# KiCad board uC_TP_Boussole_mb.kicad_pcb (continued)
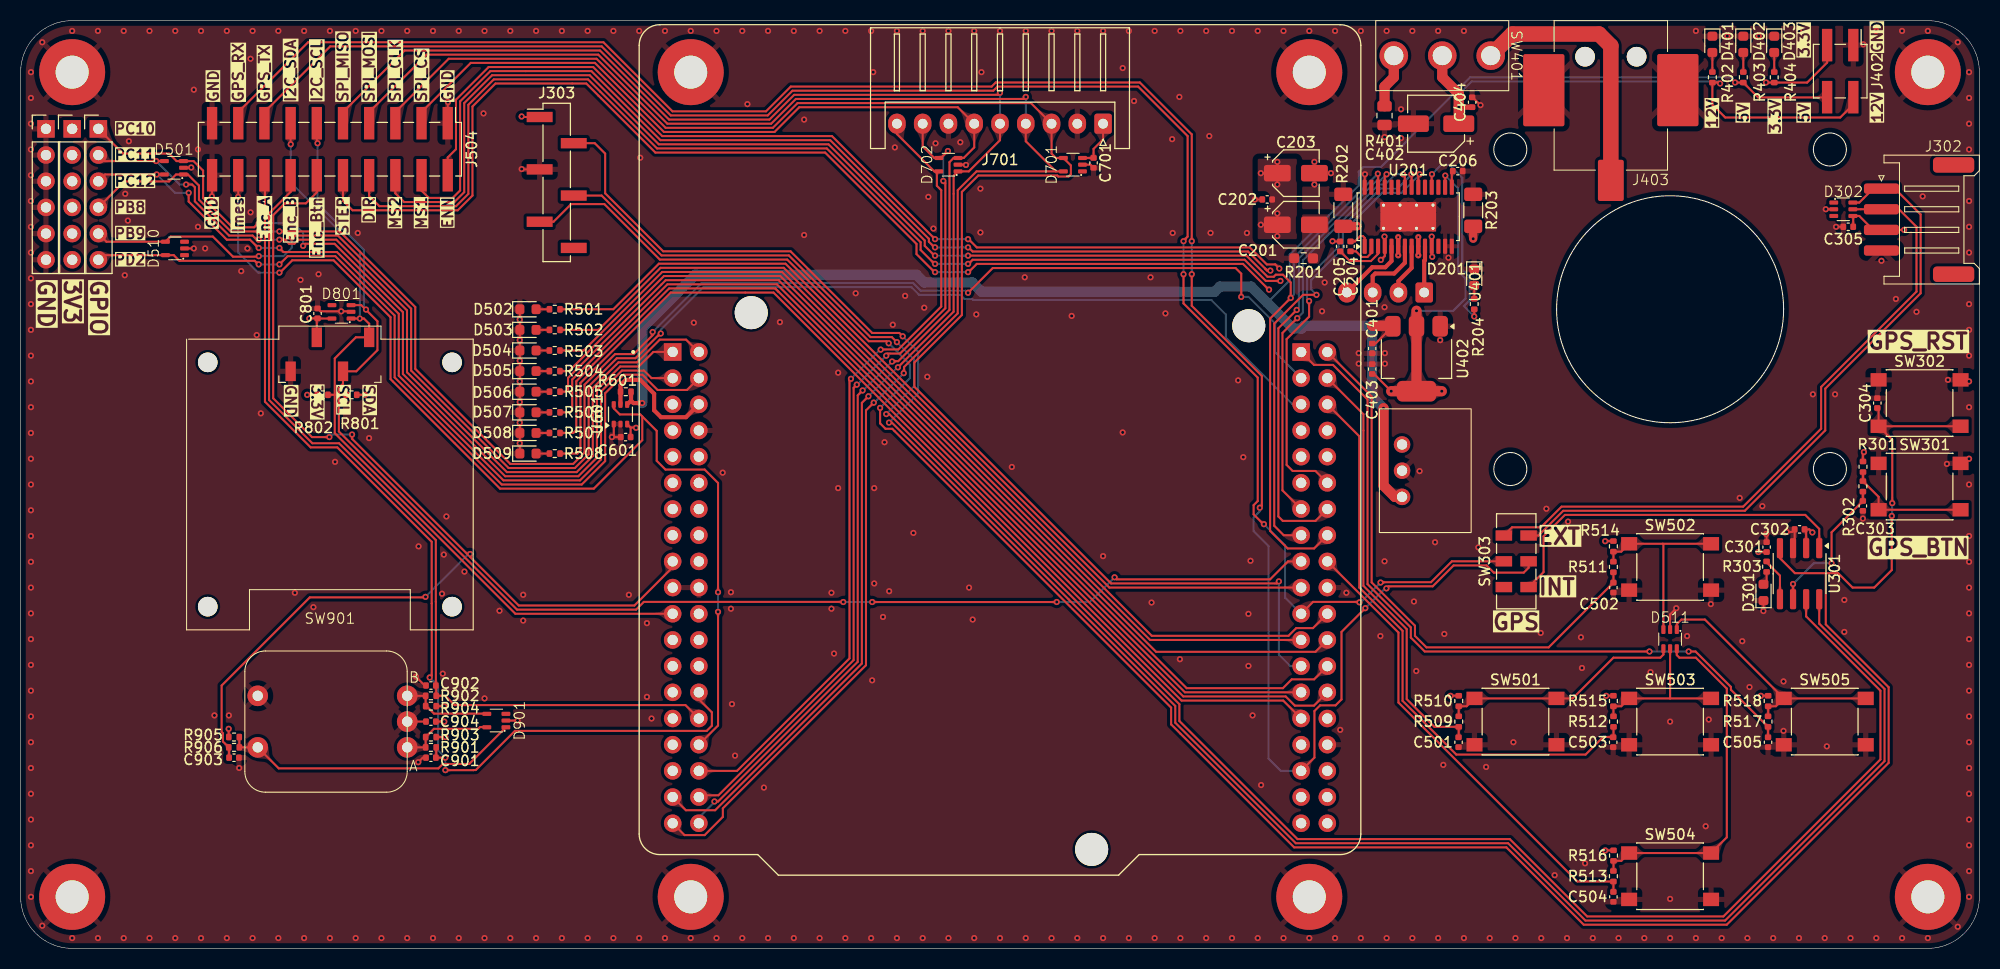
[diagram p0: board, top side]
## Routing (per net, layer and track width the routed paths; a pad name or vN(x,y) marks a point on that pad's centre or on a via; arc(x,y) is an arc through that point) (continued)
/TMC2225_Driver/A1: length 6.9
  Top w0.4: U201.7 134.28,66.51 133.24,65.47 131.4,65.47 131.15,65.22 J201.3
/TMC2225_Driver/A2: length 7
  Top w0.4: J201.4 131.1,66.08 132.38,66.08 132.97,66.67 U201.5
/TMC2225_Driver/B1: length 5
  Top w0.4: U201.8 134.93,66.01 133.65,64.74 J201.2
/TMC2225_Driver/B2: length 4.5
  Top w0.4: U201.10 136.22,66.78 136.15,66.7 J201.1
Net-(D201-A): length 1.3
  Top w0.2: R204.1 D201.2
Net-(D301-A): length 1.3
  Top w0.2: D301.2 169.36,35.62 R303.2
Net-(D401-A): length 1.9
  Top w0.2: D401.2 R402.2
Net-(D402-A): length 1.9
  Top w0.2: R403.2 D402.2
Net-(D403-A): length 1.9
  Top w0.2: D403.2 R404.2
Net-(D502-A): length 1.3
  Top w0.2: D502.2 R501.2
Net-(D503-A): length 1.3
  Top w0.2: R502.2 D503.2
Net-(D504-A): length 1.3
  Top w0.2: R503.2 D504.2
Net-(D505-A): length 1.3
  Top w0.2: D505.2 R504.2
Net-(D506-A): length 1.3
  Top w0.2: R505.2 D506.2
Net-(D507-A): length 1.3
  Top w0.2: D507.2 R506.2
Net-(D508-A): length 1.3
  Top w0.2: R507.2 D508.2
Net-(D509-A): length 1.3
  Top w0.2: D509.2 R508.2
Net-(R301-Pad1): length 12.2
  Top w0.2: 188.18,42.55 SW301.2 180.22,43.81 R302.1 178.71,45.34 R301.1
Net-(SW401-A): length 26
  Top w1.5: SW401.1 144.7,88.7 153.1,88.7 154.25,87.55 J403.1
Net-(SW401-C): length 5.3
  Top w1: R401.1 132.3,83.6 133.2,84.5 SW401.3
Net-(U201-5VOUT): length 1.6
  Top w0.2: C206.2 138.82,75.31 U201.15
Net-(U201-BRA): length 9.7
  Top w0.4: v2(133.62,68.99) U201.6 133.62,67.23
  Top w0.6: v2(133.63,67.23) 133.62,67.23
  Top w0.8: R202.1 128.31,70.06 v1(129.68,70.06)
  In2.Cu w0.8: v2(133.63,67.23) 133.62,67.23 133.62,68.08 ; 133.62,68.08 131.66,68.08 v1(129.68,70.06) ; 133.62,68.08 v2(133.62,68.99)
Net-(U201-BRB): length 10.3
  Top w0.4: 135.57,68.99 U201.9 135.57,67.23
  Top w0.6: v2(135.57,67.23) 135.57,67.23 ; 135.57,68.99 v2(135.58,68.99)
  Top w0.8: v1(140.9,68.84) R203.1
  In2.Cu w0.8: 135.58,68.15 135.58,67.23 v2(135.57,67.23) ; 135.58,68.15 140.21,68.15 v1(140.9,68.84) ; 135.58,68.15 v2(135.58,68.99)
Net-(U201-CPI): length 3.1
  Top w0.2: U201.2 131.03,67.46 130.64,67.08 130.07,67.08 129.53,67.62 C204.1
Net-(U201-CPO): length 2.5
  Top w0.2: C204.2 129.43,68.58 129.95,69.1 130.2,69.1 130.38,68.92 U201.1
Net-(U201-DIAG): length 20.2
  Top w0.2: v1(136.9,75.1) 136.88,75.08 U201.18 ; R204.2 v1(141,61.3)
  Bottom w0.2: v1(141,61.3) 139.99,62.31 140.55,62.87 140.55,65.13 139.84,65.84 139.84,74.76 138.6,76 137.8,76 v1(136.9,75.1)
Net-(U201-VCP): length 5.1
  Top w0.2: C205.2 128.94,66.67 130.97,66.67 131.68,67.38 131.68,68.11

## Copper pours and planes (outline as drawn; the poured copper is in the pictures)
+3.3V on In1.Cu: 0,90 190,90 190,0 0,0
+12V on Top: 120,68.8 123.8,68.8 123.8,76.6 120,76.6
+12V on In1.Cu: 142,90 141.9,66 120,66 120,90
GND on Top, Bottom, In2.Cu: 0,90 190,90 190,0 0,0
Net-(C201-Pad2) on Top: 127,71.2 124,71.2 124,69.2 124.9,66.4 125.9,66.4 127,69.2

Small or netless copper shapes (teardrops, artwork), in the pictures only: 466 on Top, 102 on Bottom, 9 on In1.Cu

## Text on the board
F.Silkscreen: PC10 | PC11 | PC12 | PB8 | PB9 | PD2 | GND | GPS_RX | GPS_TX | I2C_SDA | I2C_SCL | SPI_MISO | SPI_MOSI | SPI_CLK | SPI_CS | 12V | 5V | 3.3V | Imes | Enc_A | Enc_B | Enc_Btn | STEP | DIR | MS2 | MS1 | ENN | GPS | EXT | INT | GPS_RST | GPS_BTN | 3V3 | GPIO
